# Altium PCB CONTROLLER_BASE.PcbDoc (part 3 of 7)
Units mm, origin at the board's own origin, x right, y up, seen from the top; angles counter-clockwise.
Board outline 258 x 160 mm, 4 copper layers (Top Layer, Internal Plane 1, Internal Plane 2, Bottom Layer); 818 components, 410 nets, 2314 pads, 511 vias.
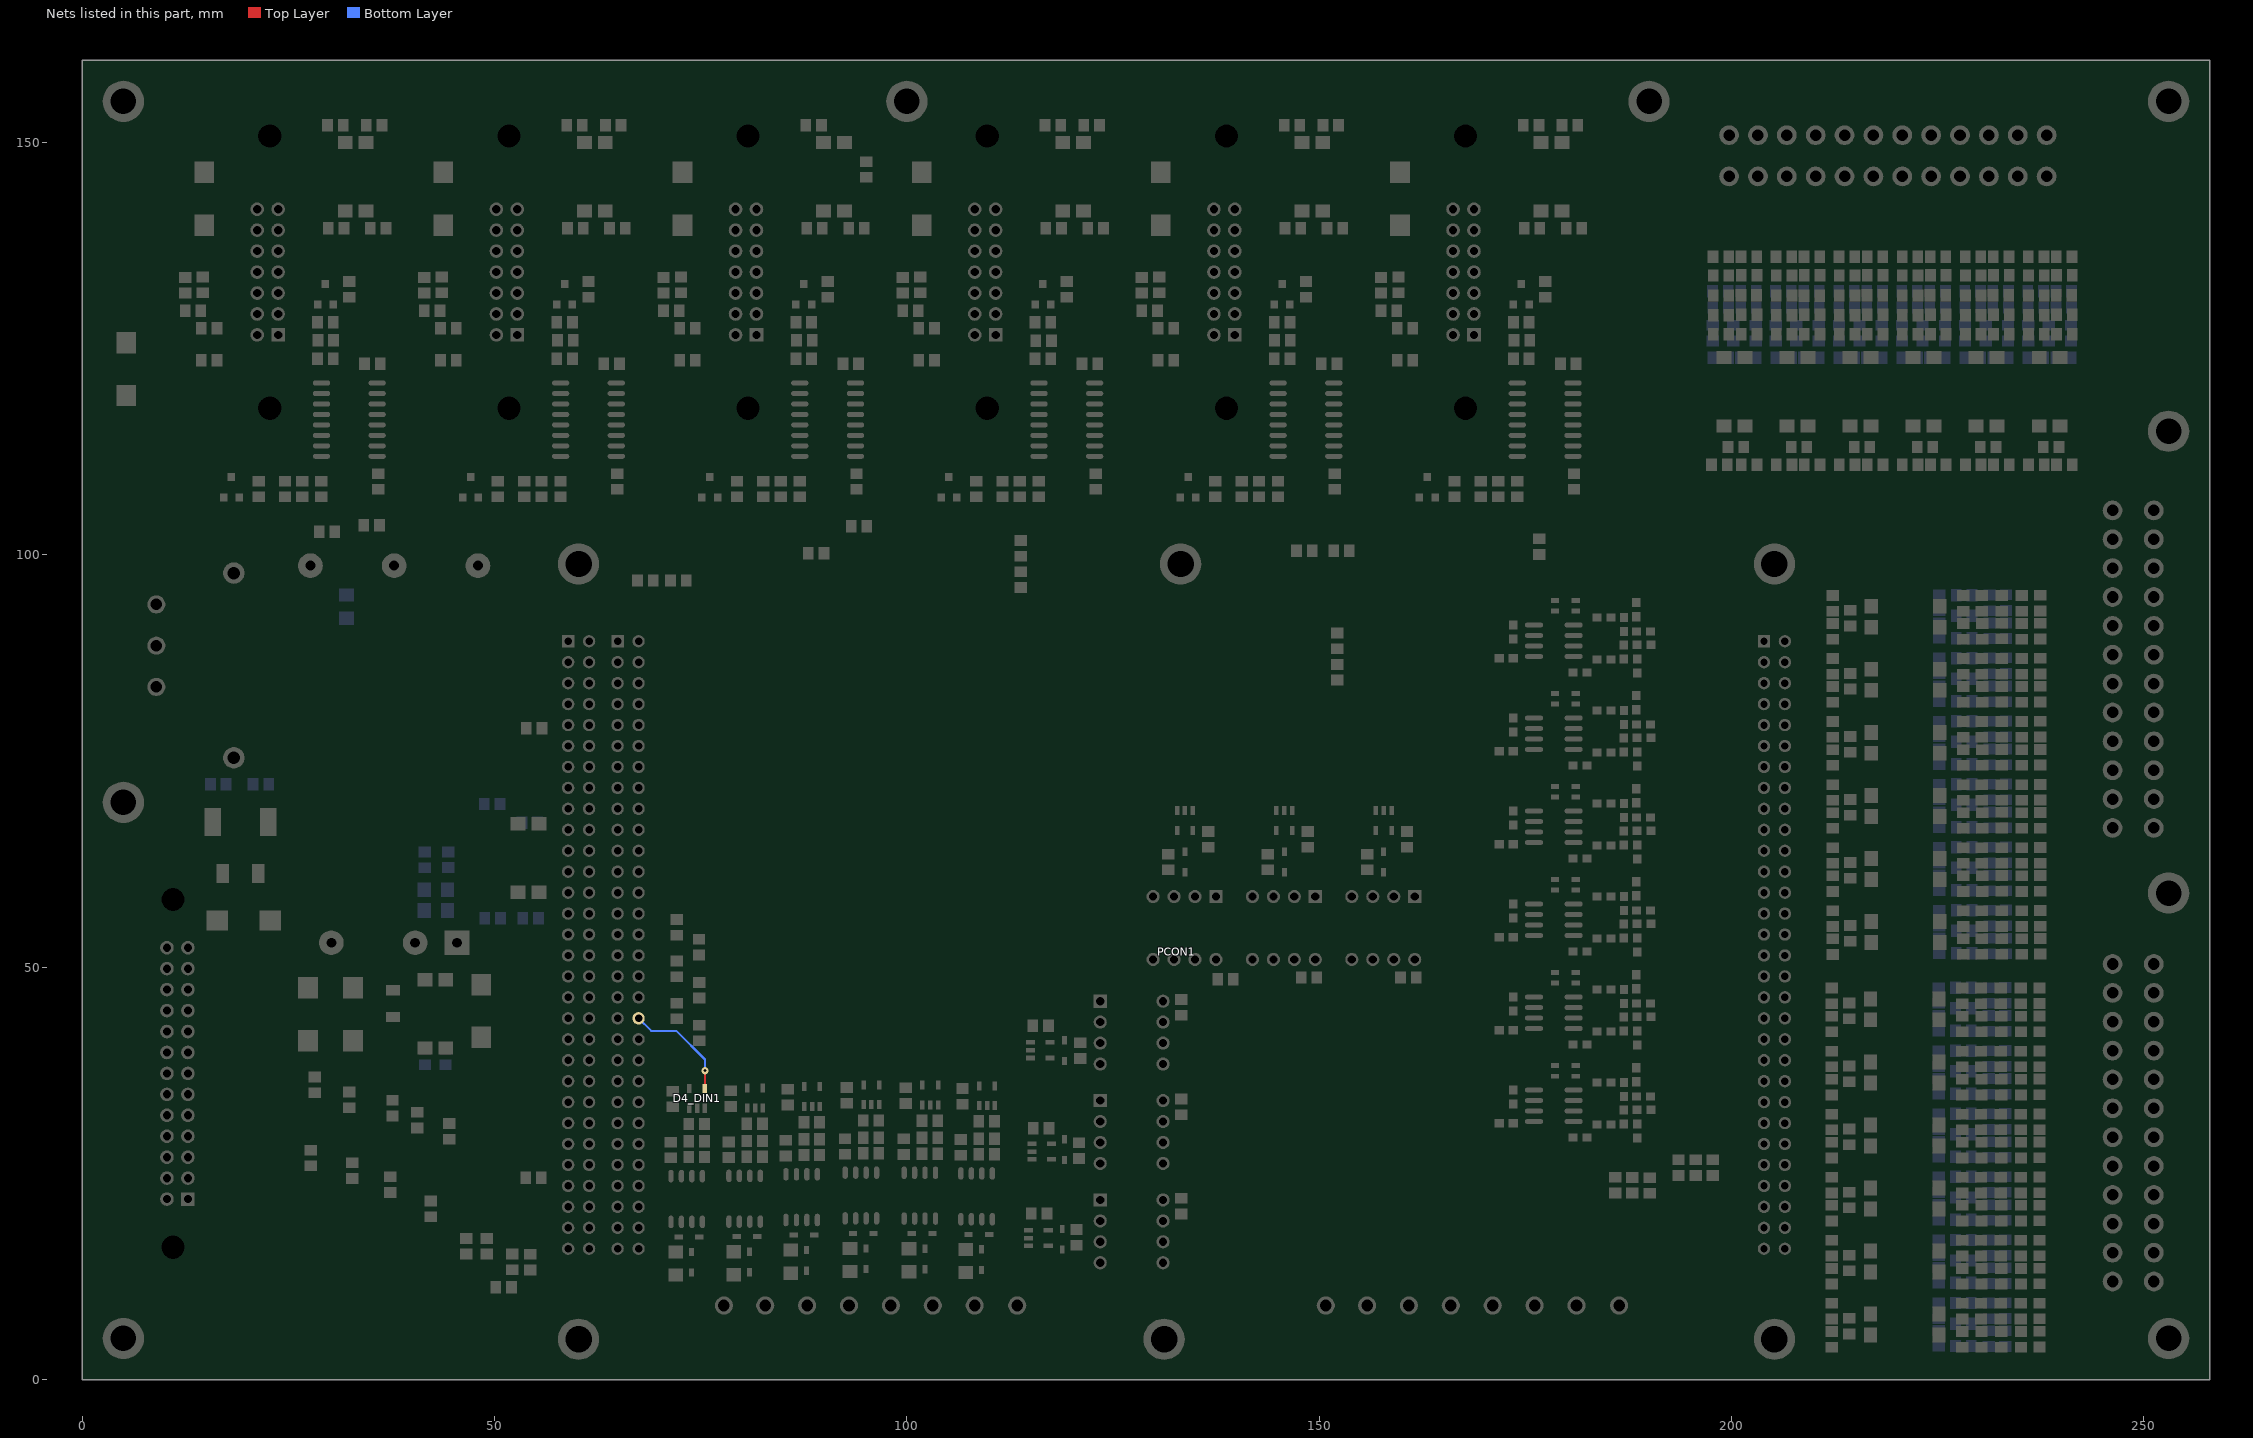
[diagram p5: the nets of this part, all layers, seen from the top]

## Components (designator, comment, footprint, x,y, rotation, side; value= is the part's Value field where it differs from the comment) (continued)
Q1_SK4 "BC847BLT1" 318-08 116.5,131.6 r0 top (schematic designator Q1)
Q1_SK5 "BC847BLT1" 318-08 145.5,131.6 r0 top (schematic designator Q1)
Q1_SK6 "BC847BLT1" 318-08 174.5,131.6 r0 top (schematic designator Q1)
Q2_SK1 "BC847BLT1" 318-08 18.1,108.2 r0 top (schematic designator Q2)
Q2_SK2 "BC847BLT1" 318-08 47.1,108.2 r0 top (schematic designator Q2)
Q2_SK3 "BC847BLT1" 318-08 76.1,108.2 r0 top (schematic designator Q2)
Q2_SK4 "BC847BLT1" 318-08 105.1,108.2 r0 top (schematic designator Q2)
Q2_SK5 "BC847BLT1" 318-08 134.1,108.2 r0 top (schematic designator Q2)
Q2_SK6 "BC847BLT1" 318-08 163.1,108.2 r0 top (schematic designator Q2)
R1 "Rsize" "SMD RES 0805" 54.8,79 r180 top
R2 "Rsize" "SMD RES 0805" 35.1,103.6 r0 top
R3 "Rsize" "SMD RES 0805" 68.3,96.9 r180 top
R4 "Rsize" "SMD RES 0805" 72.3,96.9 r0 top
R5 "Rsize" "SMD RES 0805" 89,100.2 r180 top
R6 "Rsize" "SMD RES 0805" 94.2,103.5 r0 top
R7 "Rsize" "SMD RES 0805" 113.8,100.8 r90 top
R8 "Rsize" "SMD RES 0805" 113.8,97 r270 top
R9 "Rsize" "SMD RES 0805" 148.2,100.5 r180 top
R10 "Rsize" "SMD RES 0805" 152.7,100.5 r0 top
R11 "Rsize" "SMD RES 0805" 152.186,89.576 r90 top
R12 "Rsize" "SMD RES 0805" 152.186,85.776 r270 top
R13 "Rsize" "SMD RES 0805" 176.7,101 r270 top
R14 "Rsize" "SMD RES 0805" 29.7,102.8 r180 top
R15 "Rsize" "SMD RES 0805" 72.111,54.839 r270 top
R16 "Rsize" "SMD RES 0805" 74.803,52.451 r270 top
R17 "Rsize" "SMD RES 0805" 72.085,49.809 r270 top
R18 "Rsize" "SMD RES 0805" 74.828,47.219 r270 top
R19 "Rsize" "SMD RES 0805" 72.111,44.704 r270 top
R20 "Rsize" "SMD RES 0805" 74.828,42.037 r270 top
R21 "Rsize" "SMD RES 0805" 28.219,35.738 r270 top
R22 "Rsize" "SMD RES 0805" 32.385,33.934 r270 top
R23 "Rsize" "SMD RES 0805" 37.643,32.918 r270 top
R24 "Rsize" "SMD RES 0805" 40.64,31.471 r270 top
R25 "Rsize" "SMD RES 0805" 44.526,30.099 r90 top
R26 "Rsize" "SMD RES 0805" 27.711,26.873 r270 top
R27 "Rsize" "SMD RES 0805" 32.766,25.349 r270 top
R28 "Rsize" "SMD RES 0805" 37.363,23.647 r90 top
R29 "Rsize" "SMD RES 0805" 42.266,20.701 r270 top
R30 "Rsize" "SMD RES 0805" 46.584,16.18 r270 top
R31 "Rsize" "SMD RES 0805" 49.047,16.18 r270 top
R32_SK1 "Rsize" "SMD RES 0805" 32.4,132.2 r270 top (schematic designator R32)
R32_SK2 "Rsize" "SMD RES 0805" 61.4,132.2 r270 top (schematic designator R32)
R32_SK3 "Rsize" "SMD RES 0805" 90.4,132.2 r270 top (schematic designator R32)
R32_SK4 "Rsize" "SMD RES 0805" 119.4,132.2 r270 top (schematic designator R32)
R32_SK5 "Rsize" "SMD RES 0805" 148.4,132.2 r270 top (schematic designator R32)
R32_SK6 "Rsize" "SMD RES 0805" 177.4,132.2 r270 top (schematic designator R32)
R33_SK1 "Rsize" "SMD RES 0805" 12.5,132.7 r90 top (schematic designator R33)
R33_SK2 "Rsize" "SMD RES 0805" 41.5,132.7 r90 top (schematic designator R33)
R33_SK3 "Rsize" "SMD RES 0805" 70.5,132.7 r90 top (schematic designator R33)
R33_SK4 "Rsize" "SMD RES 0805" 99.5,132.7 r90 top (schematic designator R33)
R33_SK5 "Rsize" "SMD RES 0805" 128.5,132.7 r90 top (schematic designator R33)
R33_SK6 "Rsize" "SMD RES 0805" 157.5,132.7 r90 top (schematic designator R33)
R34_SK1 "Rsize" "SMD RES 0805" 29.5,123.8 r180 top (schematic designator R34)
R34_SK2 "Rsize" "SMD RES 0805" 58.5,123.8 r180 top (schematic designator R34)
R34_SK3 "Rsize" "SMD RES 0805" 87.5,123.8 r180 top (schematic designator R34)
R34_SK4 "Rsize" "SMD RES 0805" 116.5,123.8 r180 top (schematic designator R34)
R34_SK5 "Rsize" "SMD RES 0805" 145.5,123.8 r180 top (schematic designator R34)
R34_SK6 "Rsize" "SMD RES 0805" 174.5,123.8 r180 top (schematic designator R34)
R35_SK1 "Rsize" "SMD RES 0805" 29.54,126.009 r0 top (schematic designator R35)
R35_SK2 "Rsize" "SMD RES 0805" 58.598,126.009 r0 top (schematic designator R35)
R35_SK3 "Rsize" "SMD RES 0805" 87.579,126.009 r0 top (schematic designator R35)
R35_SK4 "Rsize" "SMD RES 0805" 116.586,125.984 r0 top (schematic designator R35)
R35_SK5 "Rsize" "SMD RES 0805" 145.542,126.009 r0 top (schematic designator R35)
R35_SK6 "Rsize" "SMD RES 0805" 174.574,126.009 r0 top (schematic designator R35)
R36_SK1 "Rsize" "SMD RES 0805" 29,108 r270 top (schematic designator R36)
R36_SK2 "Rsize" "SMD RES 0805" 58,108 r270 top (schematic designator R36)
R36_SK3 "Rsize" "SMD RES 0805" 87,108 r270 top (schematic designator R36)
R36_SK4 "Rsize" "SMD RES 0805" 116,108 r270 top (schematic designator R36)
R36_SK5 "Rsize" "SMD RES 0805" 145,108 r270 top (schematic designator R36)
R36_SK6 "Rsize" "SMD RES 0805" 174,108 r270 top (schematic designator R36)
R37_SK1 "Rsize" "SMD RES 0805" 24.6,108 r270 top (schematic designator R37)
R37_SK2 "Rsize" "SMD RES 0805" 53.6,108 r270 top (schematic designator R37)
R37_SK3 "Rsize" "SMD RES 0805" 82.6,108 r270 top (schematic designator R37)
R37_SK4 "Rsize" "SMD RES 0805" 111.6,108 r270 top (schematic designator R37)
R37_SK5 "Rsize" "SMD RES 0805" 140.6,108 r270 top (schematic designator R37)
R37_SK6 "Rsize" "SMD RES 0805" 169.6,108 r270 top (schematic designator R37)
R38_SK1 "Rsize" "SMD RES 0805" 13.45,129.61 r0 top (schematic designator R38)
R38_SK2 "Rsize" "SMD RES 0805" 42.45,129.61 r0 top (schematic designator R38)
R38_SK3 "Rsize" "SMD RES 0805" 71.45,129.61 r0 top (schematic designator R38)
R38_SK4 "Rsize" "SMD RES 0805" 100.45,129.61 r0 top (schematic designator R38)
R38_SK5 "Rsize" "SMD RES 0805" 129.45,129.61 r0 top (schematic designator R38)
R38_SK6 "Rsize" "SMD RES 0805" 158.45,129.61 r0 top (schematic designator R38)
R39_SK1 "Rsize" "SMD RES 0805" 15.4,127.5 r0 top (schematic designator R39)
R39_SK2 "Rsize" "SMD RES 0805" 44.4,127.5 r0 top (schematic designator R39)
R39_SK3 "Rsize" "SMD RES 0805" 73.4,127.5 r0 top (schematic designator R39)
R39_SK4 "Rsize" "SMD RES 0805" 102.4,127.5 r0 top (schematic designator R39)
R39_SK5 "Rsize" "SMD RES 0805" 131.4,127.5 r0 top (schematic designator R39)
R39_SK6 "Rsize" "SMD RES 0805" 160.4,127.5 r0 top (schematic designator R39)
R40_SIN1 "Rsize" "SMD RES 0805" 235.103,4.897 r270 top (schematic designator R40)
R40_SIN2 "Rsize" "SMD RES 0805" 235.103,12.542 r270 top (schematic designator R40)
R40_SIN3 "Rsize" "SMD RES 0805" 235.103,20.187 r270 top (schematic designator R40)
R40_SIN4 "Rsize" "SMD RES 0805" 235.103,27.833 r270 top (schematic designator R40)
R40_SIN5 "Rsize" "SMD RES 0805" 235.103,35.478 r270 top (schematic designator R40)
R40_SIN6 "Rsize" "SMD RES 0805" 235.103,43.124 r270 top (schematic designator R40)
R40_SIN7 "Rsize" "SMD RES 0805" 235.179,52.527 r270 top (schematic designator R40)
R40_SIN8 "Rsize" "SMD RES 0805" 235.202,60.151 r270 top (schematic designator R40)
R40_SIN9 "Rsize" "SMD RES 0805" 235.202,67.797 r270 top (schematic designator R40)
R40_SIN10 "Rsize" "SMD RES 0805" 235.202,75.442 r270 top (schematic designator R40)
R40_SIN11 "Rsize" "SMD RES 0805" 235.202,83.087 r270 top (schematic designator R40)
R40_SIN12 "Rsize" "SMD RES 0805" 235.202,90.733 r270 top (schematic designator R40)
R40_SIN13 "Rsize" "SMD RES 0805" 240.353,133.904 r0 top (schematic designator R40)
R40_SIN14 "Rsize" "SMD RES 0805" 232.708,133.904 r0 top (schematic designator R40)
R40_SIN15 "Rsize" "SMD RES 0805" 225.063,133.904 r0 top (schematic designator R40)
R40_SIN16 "Rsize" "SMD RES 0805" 217.417,133.904 r0 top (schematic designator R40)
R40_SIN17 "Rsize" "SMD RES 0805" 209.772,133.904 r0 top (schematic designator R40)
R40_SIN18 "Rsize" "SMD RES 0805" 202.126,133.904 r0 top (schematic designator R40)
R41_SIN1 "Rsize" "SMD RES 0805" 227.974,4.897 r270 top (schematic designator R41)
R41_SIN2 "Rsize" "SMD RES 0805" 227.974,12.542 r270 top (schematic designator R41)
R41_SIN3 "Rsize" "SMD RES 0805" 227.974,20.187 r270 top (schematic designator R41)
R41_SIN4 "Rsize" "SMD RES 0805" 227.974,27.833 r270 top (schematic designator R41)
R41_SIN5 "Rsize" "SMD RES 0805" 227.974,35.478 r270 top (schematic designator R41)
R41_SIN6 "Rsize" "SMD RES 0805" 227.974,43.124 r270 top (schematic designator R41)
R41_SIN7 "Rsize" "SMD RES 0805" 228.092,52.527 r270 top (schematic designator R41)
R41_SIN8 "Rsize" "SMD RES 0805" 228.073,60.151 r270 top (schematic designator R41)
R41_SIN9 "Rsize" "SMD RES 0805" 228.073,67.797 r270 top (schematic designator R41)
R41_SIN10 "Rsize" "SMD RES 0805" 228.073,75.442 r270 top (schematic designator R41)
R41_SIN11 "Rsize" "SMD RES 0805" 228.073,83.087 r270 top (schematic designator R41)
R41_SIN12 "Rsize" "SMD RES 0805" 228.073,90.733 r270 top (schematic designator R41)
R41_SIN13 "Rsize" "SMD RES 0805" 240.353,126.775 r0 top (schematic designator R41)
R41_SIN14 "Rsize" "SMD RES 0805" 232.708,126.775 r0 top (schematic designator R41)
R41_SIN15 "Rsize" "SMD RES 0805" 225.063,126.775 r0 top (schematic designator R41)
R41_SIN16 "Rsize" "SMD RES 0805" 217.417,126.775 r0 top (schematic designator R41)
R41_SIN17 "Rsize" "SMD RES 0805" 209.772,126.775 r0 top (schematic designator R41)
R41_SIN18 "Rsize" "SMD RES 0805" 202.126,126.775 r0 top (schematic designator R41)
R42_SIN1 "Rsize" "SMD RES 0805" 230.311,4.897 r270 top (schematic designator R42)
R42_SIN2 "Rsize" "SMD RES 0805" 230.311,12.542 r270 top (schematic designator R42)
R42_SIN3 "Rsize" "SMD RES 0805" 230.311,20.187 r270 top (schematic designator R42)
R42_SIN4 "Rsize" "SMD RES 0805" 230.311,27.833 r270 top (schematic designator R42)
R42_SIN5 "Rsize" "SMD RES 0805" 230.311,35.478 r270 top (schematic designator R42)
R42_SIN6 "Rsize" "SMD RES 0805" 230.311,43.124 r270 top (schematic designator R42)
R42_SIN7 "Rsize" "SMD RES 0805" 230.353,52.527 r270 top (schematic designator R42)
R42_SIN8 "Rsize" "SMD RES 0805" 230.41,60.151 r270 top (schematic designator R42)
R42_SIN9 "Rsize" "SMD RES 0805" 230.41,67.797 r270 top (schematic designator R42)
R42_SIN10 "Rsize" "SMD RES 0805" 230.41,75.442 r270 top (schematic designator R42)
R42_SIN11 "Rsize" "SMD RES 0805" 230.41,83.087 r270 top (schematic designator R42)
R42_SIN12 "Rsize" "SMD RES 0805" 230.41,90.733 r270 top (schematic designator R42)
R42_SIN13 "Rsize" "SMD RES 0805" 240.353,129.112 r0 top (schematic designator R42)
R42_SIN14 "Rsize" "SMD RES 0805" 232.708,129.112 r0 top (schematic designator R42)
R42_SIN15 "Rsize" "SMD RES 0805" 225.063,129.112 r0 top (schematic designator R42)
R42_SIN16 "Rsize" "SMD RES 0805" 217.417,129.112 r0 top (schematic designator R42)
R42_SIN17 "Rsize" "SMD RES 0805" 209.772,129.112 r0 top (schematic designator R42)
R42_SIN18 "Rsize" "SMD RES 0805" 202.126,129.112 r0 top (schematic designator R42)
R43_SIN1 "Rsize" "SMD RES 0805" 232.707,4.897 r270 top (schematic designator R43)
R43_SIN2 "Rsize" "SMD RES 0805" 232.707,12.542 r270 top (schematic designator R43)
R43_SIN3 "Rsize" "SMD RES 0805" 232.707,20.187 r270 top (schematic designator R43)
R43_SIN4 "Rsize" "SMD RES 0805" 232.707,27.833 r270 top (schematic designator R43)
R43_SIN5 "Rsize" "SMD RES 0805" 232.707,35.478 r270 top (schematic designator R43)
R43_SIN6 "Rsize" "SMD RES 0805" 232.707,43.124 r270 top (schematic designator R43)
R43_SIN7 "Rsize" "SMD RES 0805" 232.766,52.527 r270 top (schematic designator R43)
R43_SIN8 "Rsize" "SMD RES 0805" 232.766,60.173 r270 top (schematic designator R43)
R43_SIN9 "Rsize" "SMD RES 0805" 232.766,67.843 r270 top (schematic designator R43)
R43_SIN10 "Rsize" "SMD RES 0805" 232.74,75.463 r270 top (schematic designator R43)
R43_SIN11 "Rsize" "SMD RES 0805" 232.766,83.109 r270 top (schematic designator R43)
R43_SIN12 "Rsize" "SMD RES 0805" 232.766,90.78 r270 top (schematic designator R43)
R43_SIN13 "Rsize" "SMD RES 0805" 240.309,131.47 r0 top (schematic designator R43)
R43_SIN14 "Rsize" "SMD RES 0805" 232.664,131.47 r0 top (schematic designator R43)
R43_SIN15 "Rsize" "SMD RES 0805" 225.019,131.47 r0 top (schematic designator R43)
R43_SIN16 "Rsize" "SMD RES 0805" 217.373,131.47 r0 top (schematic designator R43)
R43_SIN17 "Rsize" "SMD RES 0805" 209.728,131.445 r0 top (schematic designator R43)
R43_SIN18 "Rsize" "SMD RES 0805" 202.082,131.496 r0 top (schematic designator R43)
R44_SIN1 "Rsize" "SMD RES 0805" 235.08,8.3 r270 top (schematic designator R44)
R44_SIN2 "Rsize" "SMD RES 0805" 235.08,15.946 r270 top (schematic designator R44)
R44_SIN3 "Rsize" "SMD RES 0805" 235.08,23.591 r270 top (schematic designator R44)
R44_SIN4 "Rsize" "SMD RES 0805" 235.08,31.236 r270 top (schematic designator R44)
R44_SIN5 "Rsize" "SMD RES 0805" 235.08,38.882 r270 top (schematic designator R44)
R44_SIN6 "Rsize" "SMD RES 0805" 235.08,46.527 r270 top (schematic designator R44)
R44_SIN7 "Rsize" "SMD RES 0805" 235.179,55.909 r270 top (schematic designator R44)
R44_SIN8 "Rsize" "SMD RES 0805" 235.179,63.555 r270 top (schematic designator R44)
R44_SIN9 "Rsize" "SMD RES 0805" 235.179,71.2 r270 top (schematic designator R44)
R44_SIN10 "Rsize" "SMD RES 0805" 235.179,78.846 r270 top (schematic designator R44)
R44_SIN11 "Rsize" "SMD RES 0805" 235.179,86.491 r270 top (schematic designator R44)
R44_SIN12 "Rsize" "SMD RES 0805" 235.179,94.136 r270 top (schematic designator R44)
R44_SIN13 "Rsize" "SMD RES 0805" 236.95,133.881 r0 top (schematic designator R44)
R44_SIN14 "Rsize" "SMD RES 0805" 229.304,133.881 r0 top (schematic designator R44)
R44_SIN15 "Rsize" "SMD RES 0805" 221.659,133.881 r0 top (schematic designator R44)
R44_SIN16 "Rsize" "SMD RES 0805" 214.014,133.881 r0 top (schematic designator R44)
R44_SIN17 "Rsize" "SMD RES 0805" 206.368,133.881 r0 top (schematic designator R44)
R44_SIN18 "Rsize" "SMD RES 0805" 198.723,133.881 r0 top (schematic designator R44)
R45_SIN1 "Rsize" "SMD RES 0805" 227.974,8.3 r270 top (schematic designator R45)
R45_SIN2 "Rsize" "SMD RES 0805" 227.974,15.946 r270 top (schematic designator R45)
R45_SIN3 "Rsize" "SMD RES 0805" 227.974,23.591 r270 top (schematic designator R45)
R45_SIN4 "Rsize" "SMD RES 0805" 227.974,31.236 r270 top (schematic designator R45)
R45_SIN5 "Rsize" "SMD RES 0805" 227.974,38.882 r270 top (schematic designator R45)
R45_SIN6 "Rsize" "SMD RES 0805" 227.974,46.527 r270 top (schematic designator R45)
R45_SIN7 "Rsize" "SMD RES 0805" 228.073,55.909 r270 top (schematic designator R45)
R45_SIN8 "Rsize" "SMD RES 0805" 228.073,63.555 r270 top (schematic designator R45)
R45_SIN9 "Rsize" "SMD RES 0805" 228.073,71.2 r270 top (schematic designator R45)
R45_SIN10 "Rsize" "SMD RES 0805" 228.073,78.846 r270 top (schematic designator R45)
R45_SIN11 "Rsize" "SMD RES 0805" 228.073,86.491 r270 top (schematic designator R45)
R45_SIN12 "Rsize" "SMD RES 0805" 228.073,94.136 r270 top (schematic designator R45)
R45_SIN13 "Rsize" "SMD RES 0805" 236.95,126.775 r0 top (schematic designator R45)
R45_SIN14 "Rsize" "SMD RES 0805" 229.304,126.775 r0 top (schematic designator R45)
R45_SIN15 "Rsize" "SMD RES 0805" 221.659,126.775 r0 top (schematic designator R45)
R45_SIN16 "Rsize" "SMD RES 0805" 214.014,126.775 r0 top (schematic designator R45)
R45_SIN17 "Rsize" "SMD RES 0805" 206.368,126.775 r0 top (schematic designator R45)
R45_SIN18 "Rsize" "SMD RES 0805" 198.723,126.775 r0 top (schematic designator R45)
R46_SIN1 "Rsize" "SMD RES 0805" 230.241,8.3 r270 top (schematic designator R46)
R46_SIN2 "Rsize" "SMD RES 0805" 230.241,15.946 r270 top (schematic designator R46)
R46_SIN3 "Rsize" "SMD RES 0805" 230.241,23.591 r270 top (schematic designator R46)
R46_SIN4 "Rsize" "SMD RES 0805" 230.241,31.236 r270 top (schematic designator R46)
R46_SIN5 "Rsize" "SMD RES 0805" 230.241,38.882 r270 top (schematic designator R46)
R46_SIN6 "Rsize" "SMD RES 0805" 230.241,46.527 r270 top (schematic designator R46)
R46_SIN7 "Rsize" "SMD RES 0805" 230.34,55.909 r270 top (schematic designator R46)
R46_SIN8 "Rsize" "SMD RES 0805" 230.34,63.555 r270 top (schematic designator R46)
R46_SIN9 "Rsize" "SMD RES 0805" 230.34,71.2 r270 top (schematic designator R46)
R46_SIN10 "Rsize" "SMD RES 0805" 230.34,78.846 r270 top (schematic designator R46)
R46_SIN11 "Rsize" "SMD RES 0805" 230.34,86.491 r270 top (schematic designator R46)
R46_SIN12 "Rsize" "SMD RES 0805" 230.34,94.136 r270 top (schematic designator R46)
R46_SIN13 "Rsize" "SMD RES 0805" 236.95,129.042 r0 top (schematic designator R46)
R46_SIN14 "Rsize" "SMD RES 0805" 229.304,129.042 r0 top (schematic designator R46)
R46_SIN15 "Rsize" "SMD RES 0805" 221.659,129.042 r0 top (schematic designator R46)
R46_SIN16 "Rsize" "SMD RES 0805" 214.014,129.042 r0 top (schematic designator R46)
R46_SIN17 "Rsize" "SMD RES 0805" 206.368,129.042 r0 top (schematic designator R46)
R46_SIN18 "Rsize" "SMD RES 0805" 198.723,129.042 r0 top (schematic designator R46)
R47_SIN1 "Rsize" "SMD RES 0805" 232.661,8.3 r270 top (schematic designator R47)
R47_SIN2 "Rsize" "SMD RES 0805" 232.661,15.946 r270 top (schematic designator R47)
R47_SIN3 "Rsize" "SMD RES 0805" 232.661,23.591 r270 top (schematic designator R47)
R47_SIN4 "Rsize" "SMD RES 0805" 232.661,31.236 r270 top (schematic designator R47)
R47_SIN5 "Rsize" "SMD RES 0805" 232.661,38.882 r270 top (schematic designator R47)
R47_SIN6 "Rsize" "SMD RES 0805" 232.661,46.527 r270 top (schematic designator R47)
R47_SIN7 "Rsize" "SMD RES 0805" 232.759,55.909 r270 top (schematic designator R47)
R47_SIN8 "Rsize" "SMD RES 0805" 232.759,63.555 r270 top (schematic designator R47)
R47_SIN9 "Rsize" "SMD RES 0805" 232.759,71.2 r270 top (schematic designator R47)
R47_SIN10 "Rsize" "SMD RES 0805" 232.759,78.846 r270 top (schematic designator R47)
R47_SIN11 "Rsize" "SMD RES 0805" 232.759,86.491 r270 top (schematic designator R47)
R47_SIN12 "Rsize" "SMD RES 0805" 232.759,94.136 r270 top (schematic designator R47)
R47_SIN13 "Rsize" "SMD RES 0805" 236.95,131.462 r0 top (schematic designator R47)
R47_SIN14 "Rsize" "SMD RES 0805" 229.304,131.462 r0 top (schematic designator R47)
R47_SIN15 "Rsize" "SMD RES 0805" 221.659,131.462 r0 top (schematic designator R47)
R47_SIN16 "Rsize" "SMD RES 0805" 214.014,131.462 r0 top (schematic designator R47)
R47_SIN17 "Rsize" "SMD RES 0805" 206.368,131.462 r0 top (schematic designator R47)
R47_SIN18 "Rsize" "SMD RES 0805" 198.723,131.462 r0 top (schematic designator R47)
R48_LIM1 "Rsize" "SMD RES 0603" 173.519,34.253 r90 top (schematic designator R48)
R48_LIM2 "Rsize" "SMD RES 0603" 173.519,45.53 r90 top (schematic designator R48)
R48_LIM3 "Rsize" "SMD RES 0603" 173.519,56.808 r90 top (schematic designator R48)
R48_LIM4 "Rsize" "SMD RES 0603" 173.519,68.086 r90 top (schematic designator R48)
R48_LIM5 "Rsize" "SMD RES 0603" 173.519,79.363 r90 top (schematic designator R48)
R48_LIM6 "Rsize" "SMD RES 0603" 173.519,90.641 r90 top (schematic designator R48)
R49_OUT1 "Rsize" "SMD RES 0805" 120.574,17.247 r90 top (schematic designator R49)
R49_OUT2 "Rsize" "SMD RES 0805" 120.879,27.762 r90 top (schematic designator R49)
R49_OUT3 "Rsize" "SMD RES 0805" 121.006,39.903 r90 top (schematic designator R49)
R49_OUT4 "Rsize" "SMD RES 0805" 131.72,62.762 r270 top (schematic designator R49)
R49_OUT5 "Rsize" "SMD RES 0805" 143.77,62.762 r270 top (schematic designator R49)
R49_OUT6 "Rsize" "SMD RES 0805" 155.82,62.762 r270 top (schematic designator R49)
R50_LIM1 "Rsize" "SMD RES 0603" 184.517,30.925 r0 top (schematic designator R50)
R50_LIM2 "Rsize" "SMD RES 0603" 184.517,42.203 r0 top (schematic designator R50)
R50_LIM3 "Rsize" "SMD RES 0603" 184.517,53.481 r0 top (schematic designator R50)
R50_LIM4 "Rsize" "SMD RES 0603" 184.517,64.758 r0 top (schematic designator R50)
R50_LIM5 "Rsize" "SMD RES 0603" 184.517,76.036 r0 top (schematic designator R50)
R50_LIM6 "Rsize" "SMD RES 0603" 184.517,87.313 r0 top (schematic designator R50)
R51_LIM1 "Rsize" "SMD RES 0603" 186.93,31.865 r90 top (schematic designator R51)
R51_LIM2 "Rsize" "SMD RES 0603" 186.93,43.143 r90 top (schematic designator R51)